# Altium PCB BEE_BOARD_PCB ASCII REV Project_PCB_Rev.Project_SCH_Rev.PcbDoc (part 1 of 3)
Units mm, origin at the board's own origin, x right, y up, seen from the top; angles counter-clockwise.
Board outline 57.11 x 51.96 mm, 8 copper layers (Top, GND_1, Signal_1, GND_2, PWR, Signal_2, GND_3, Bottom), stack 1.6 mm thick; 171 components, 98 nets, 601 pads, 290 vias.
Unrouted connection lines stored in the file: 8.
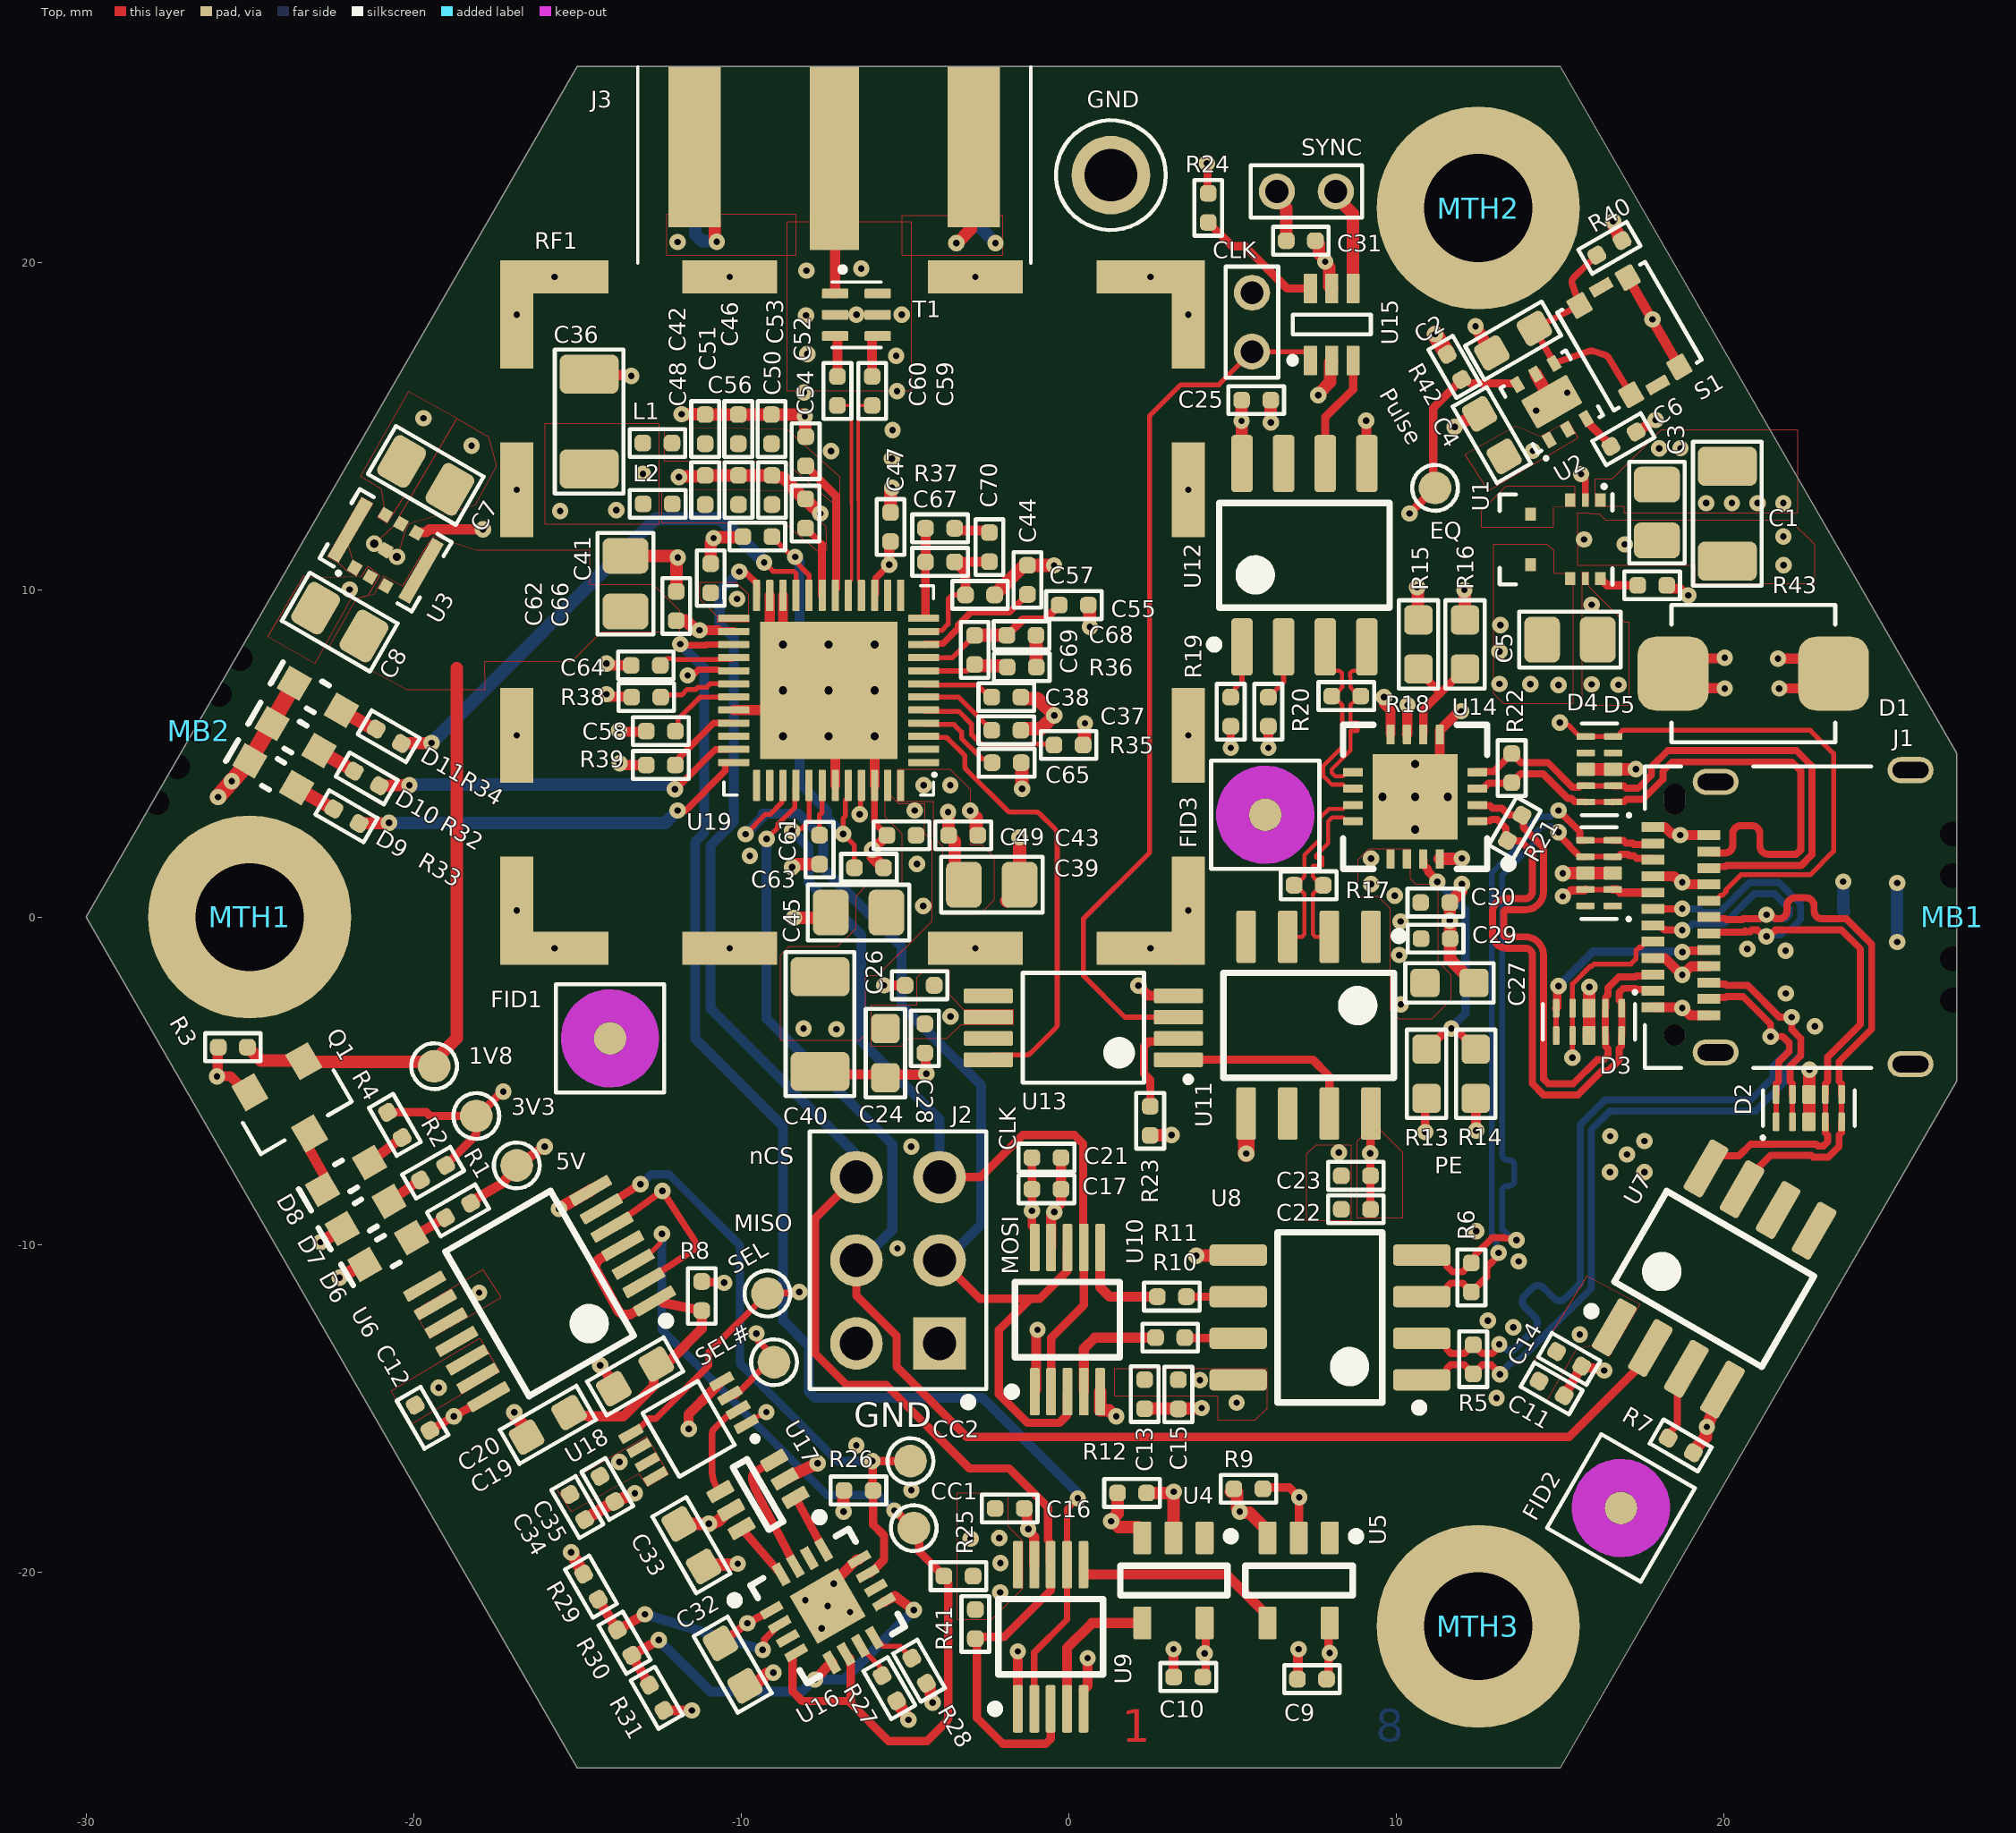
[diagram p0: Top view]
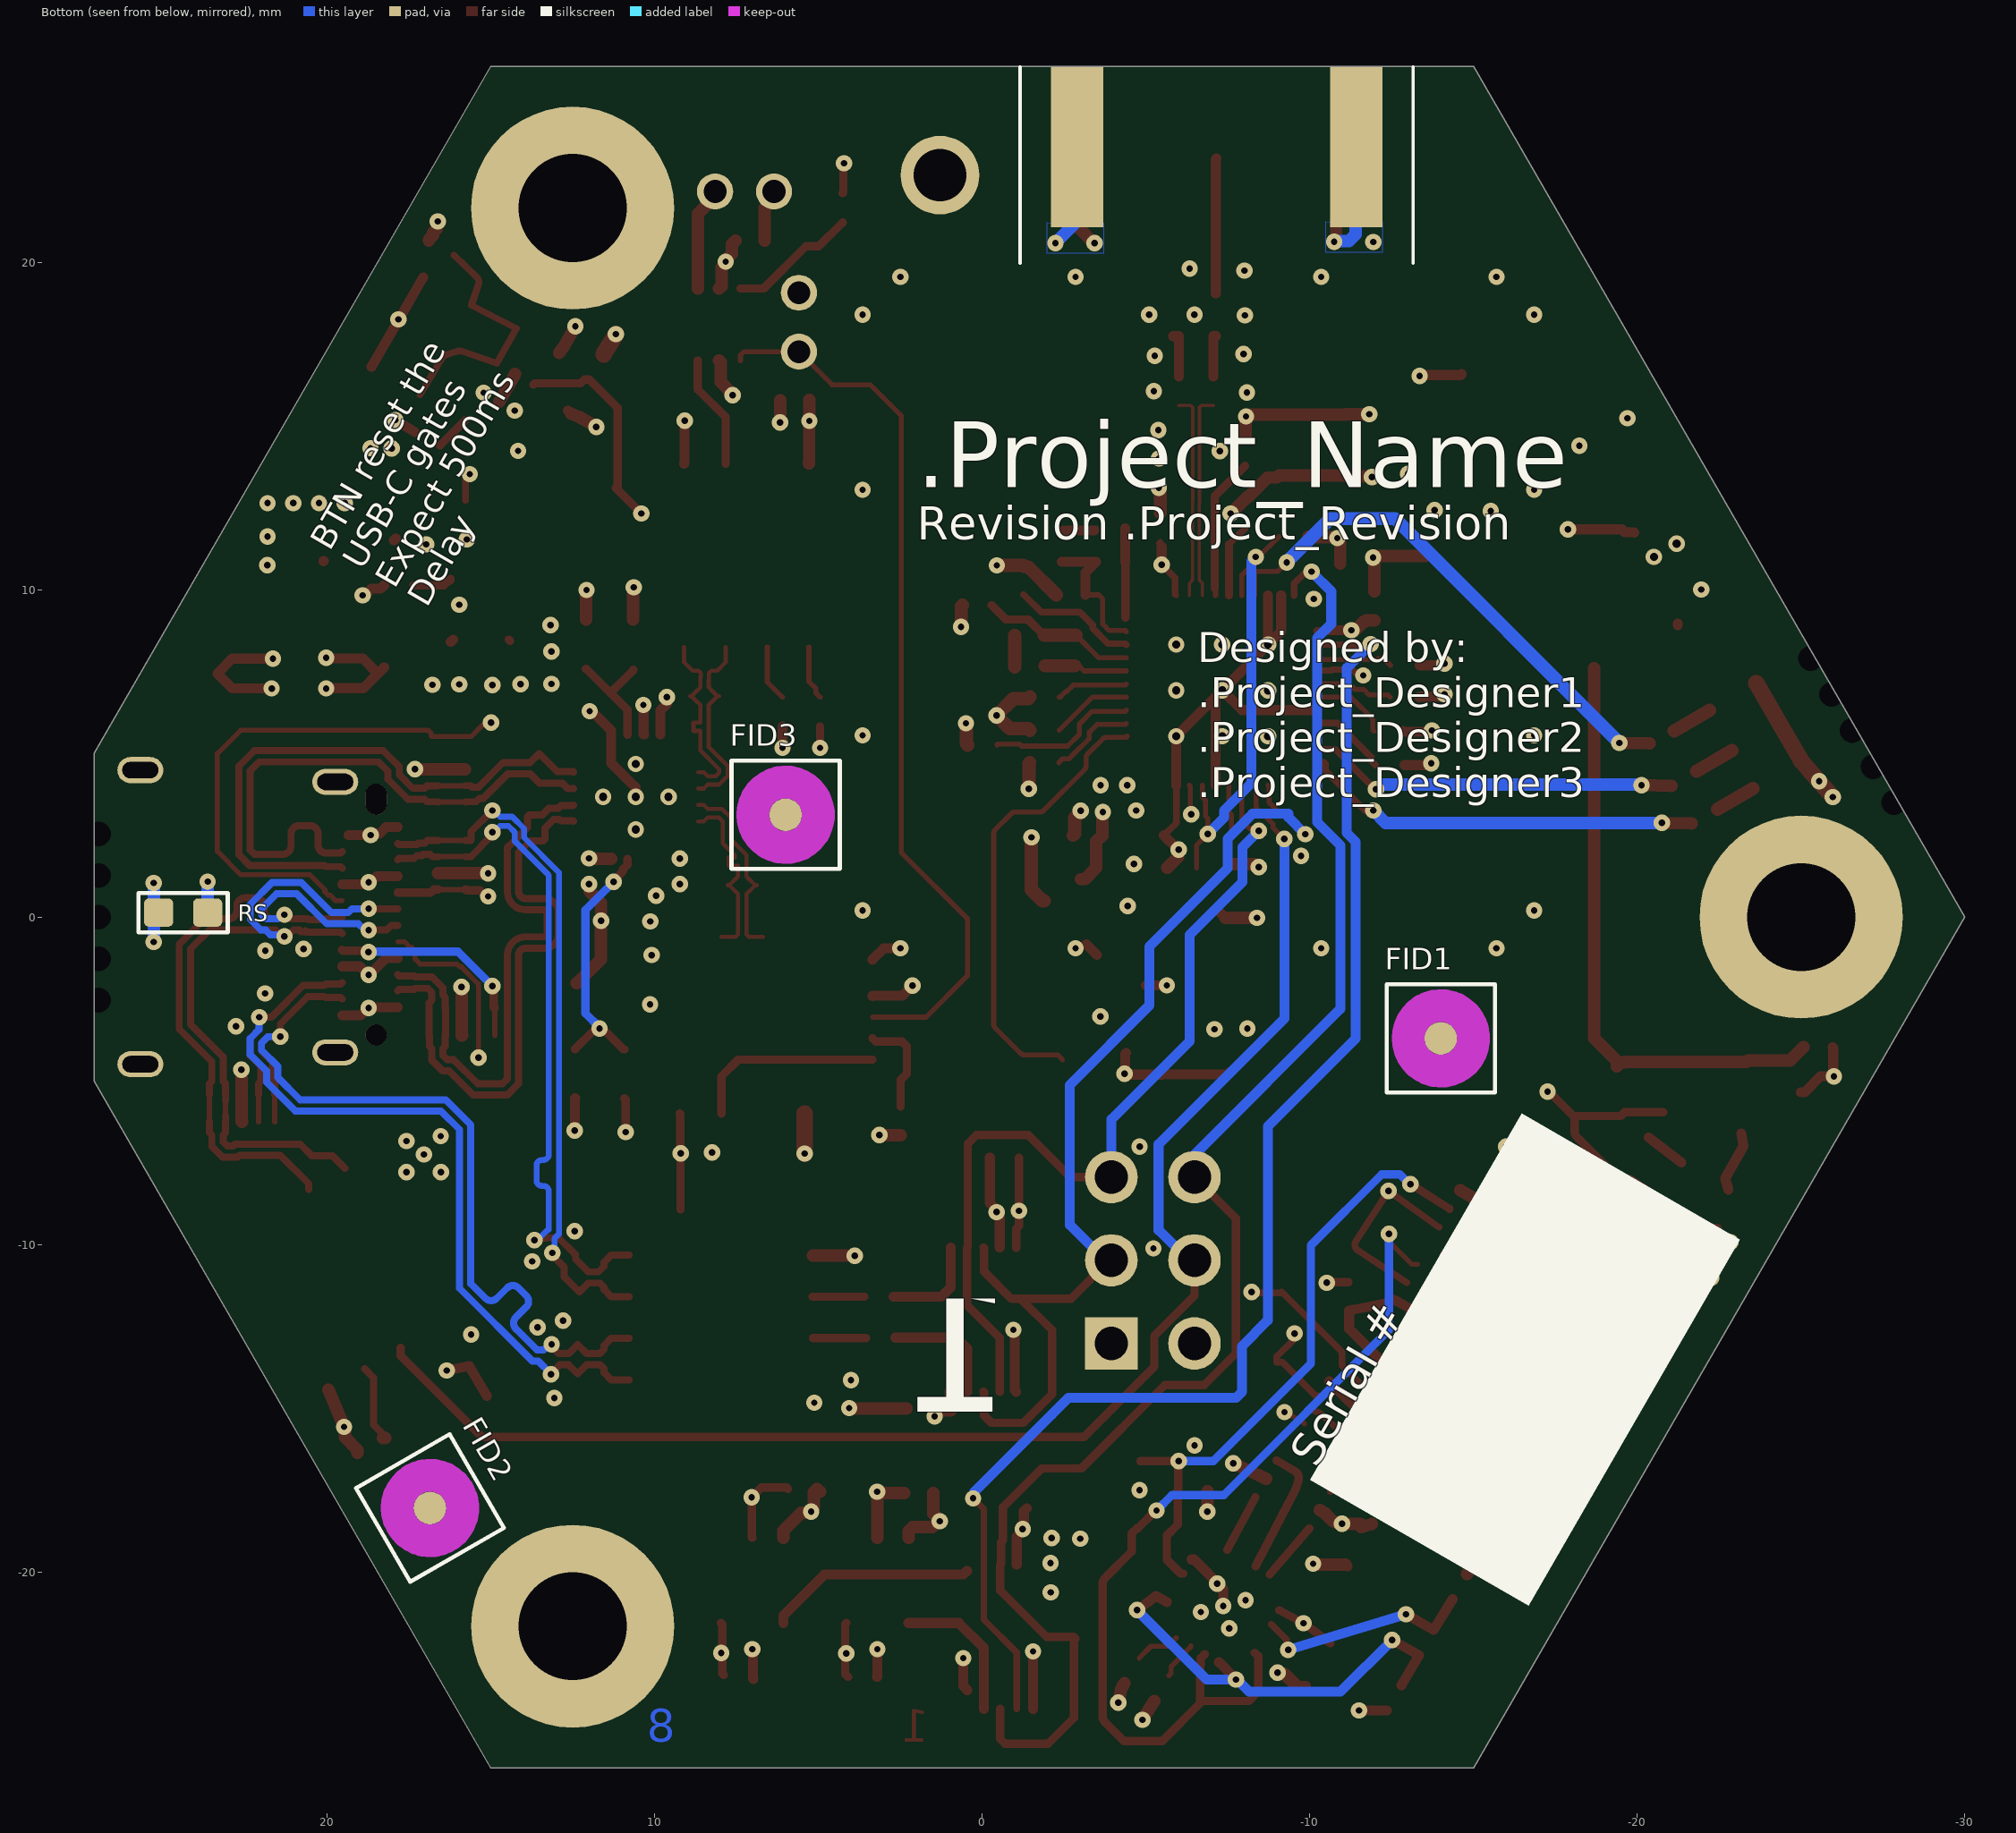
[diagram p1: Bottom view, seen from below]
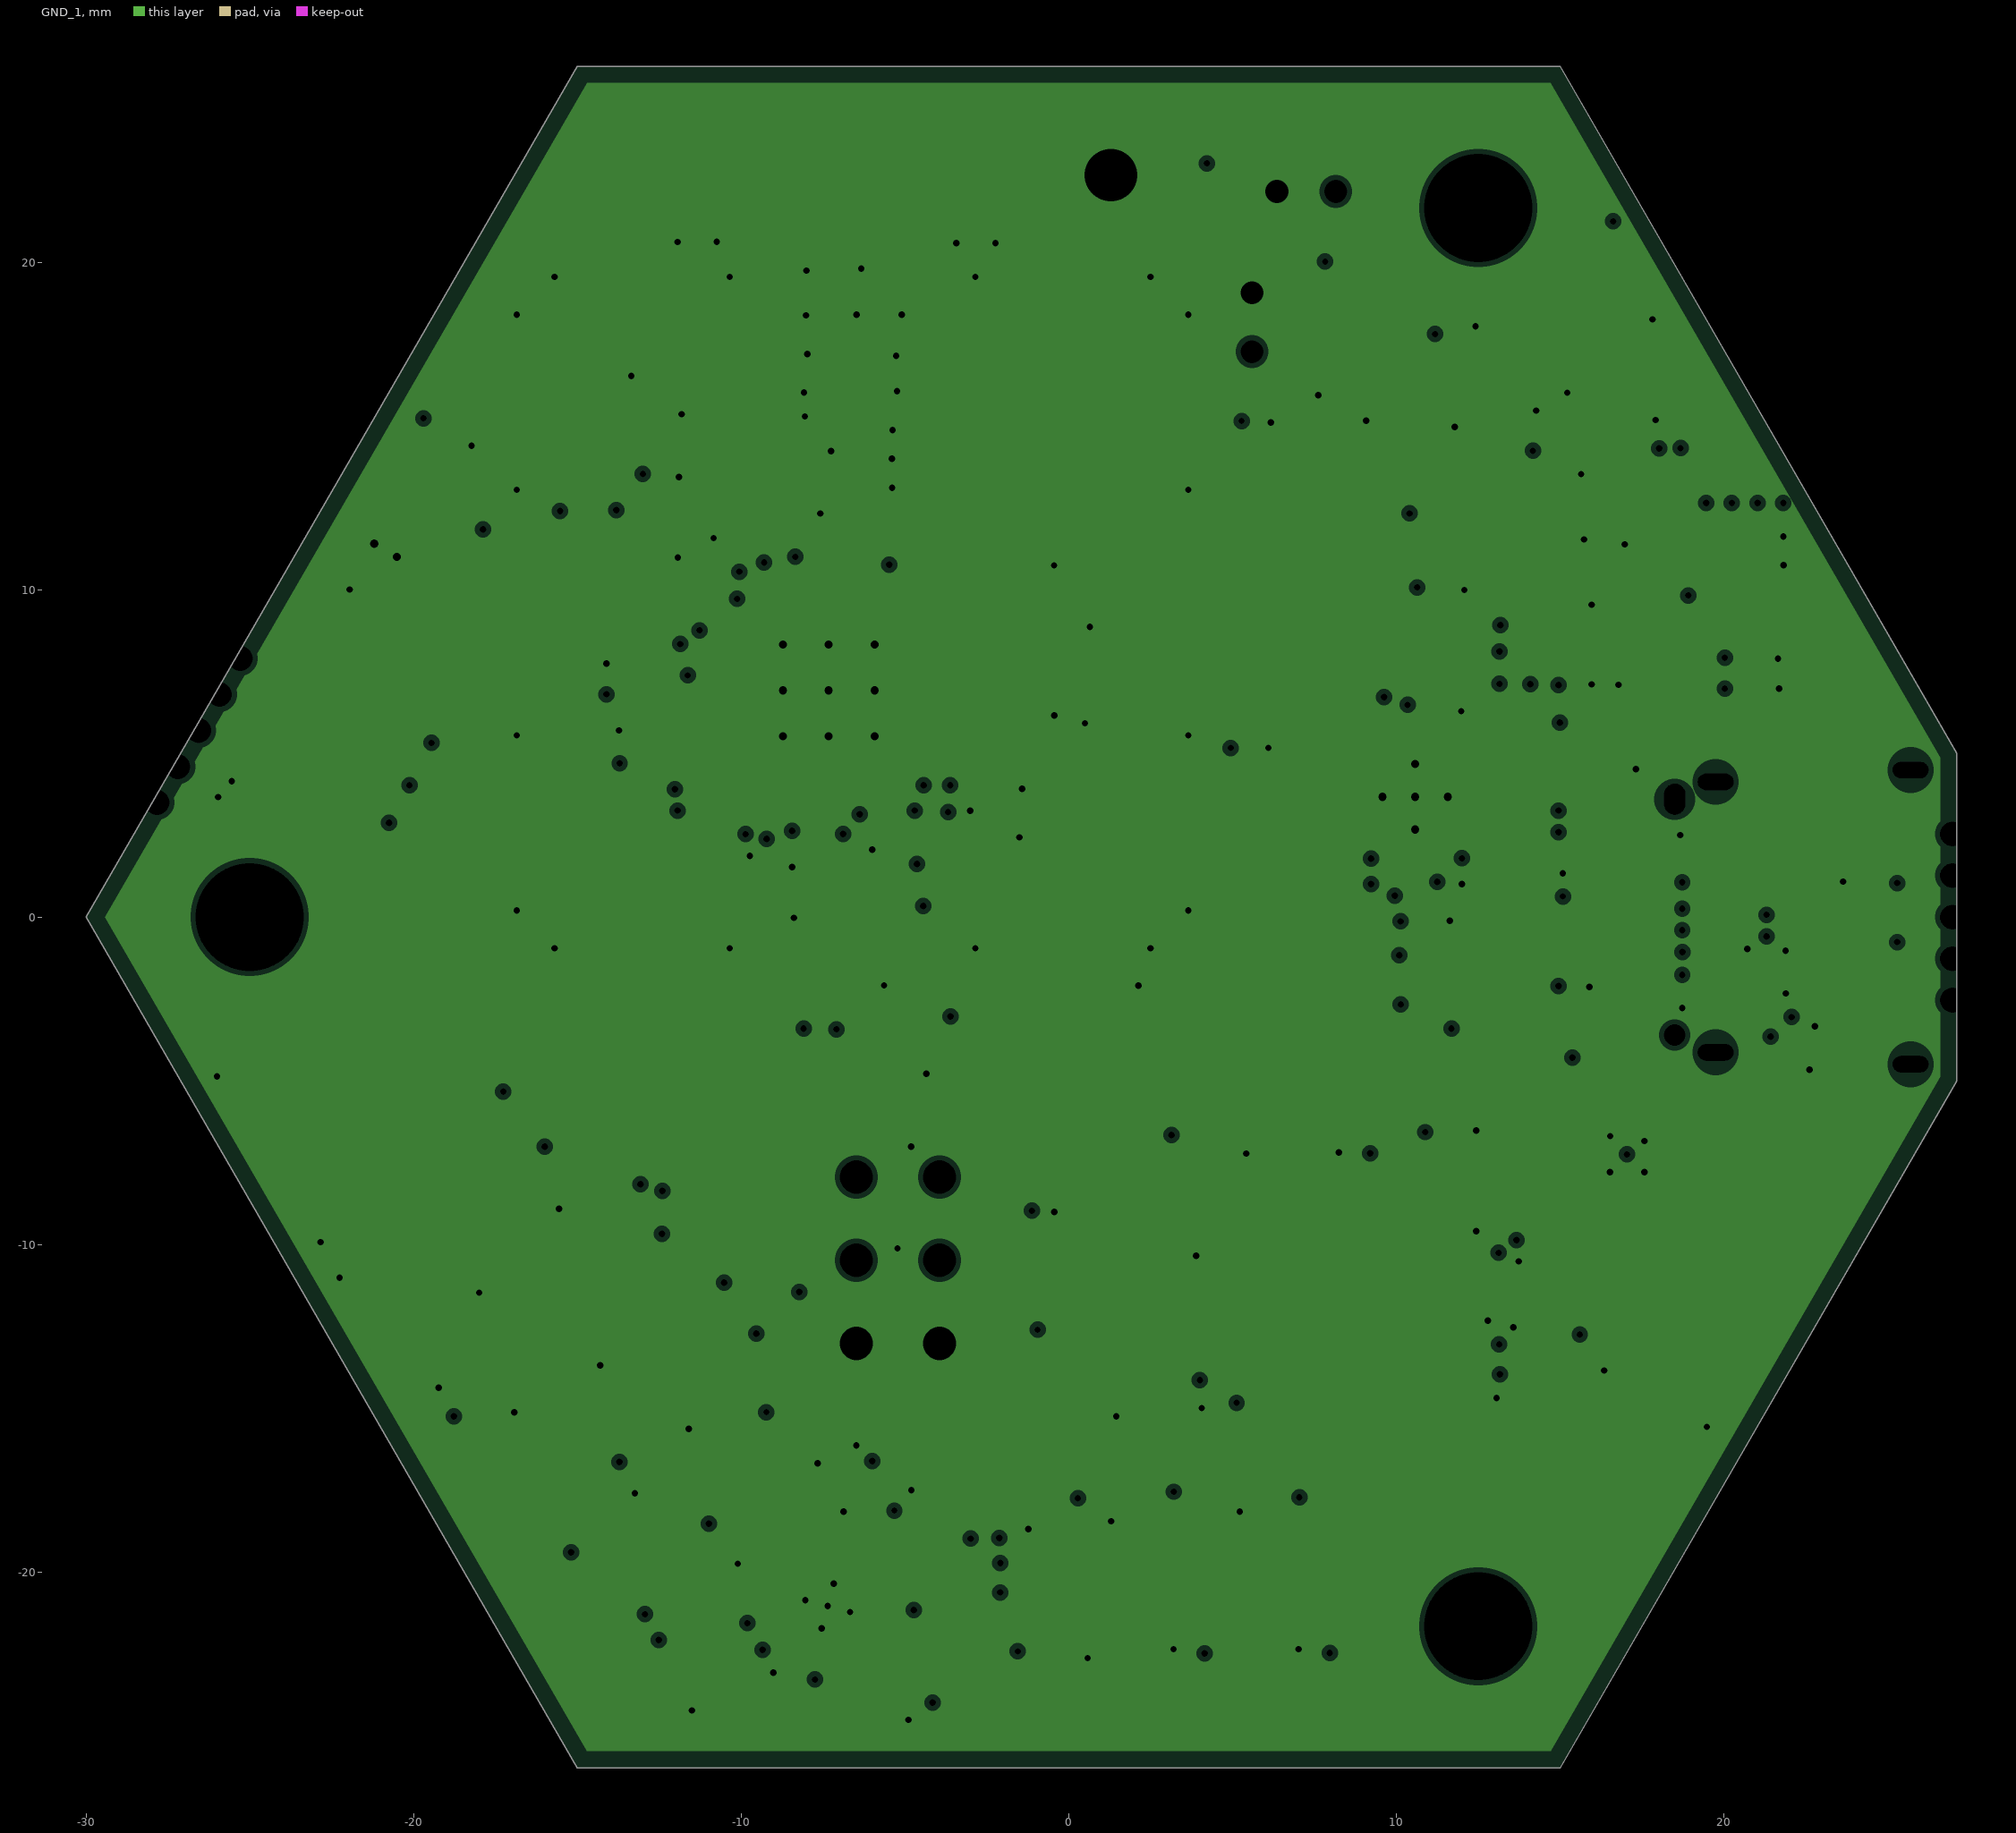
[diagram p2: GND_1, clearances drawn from the general rule]
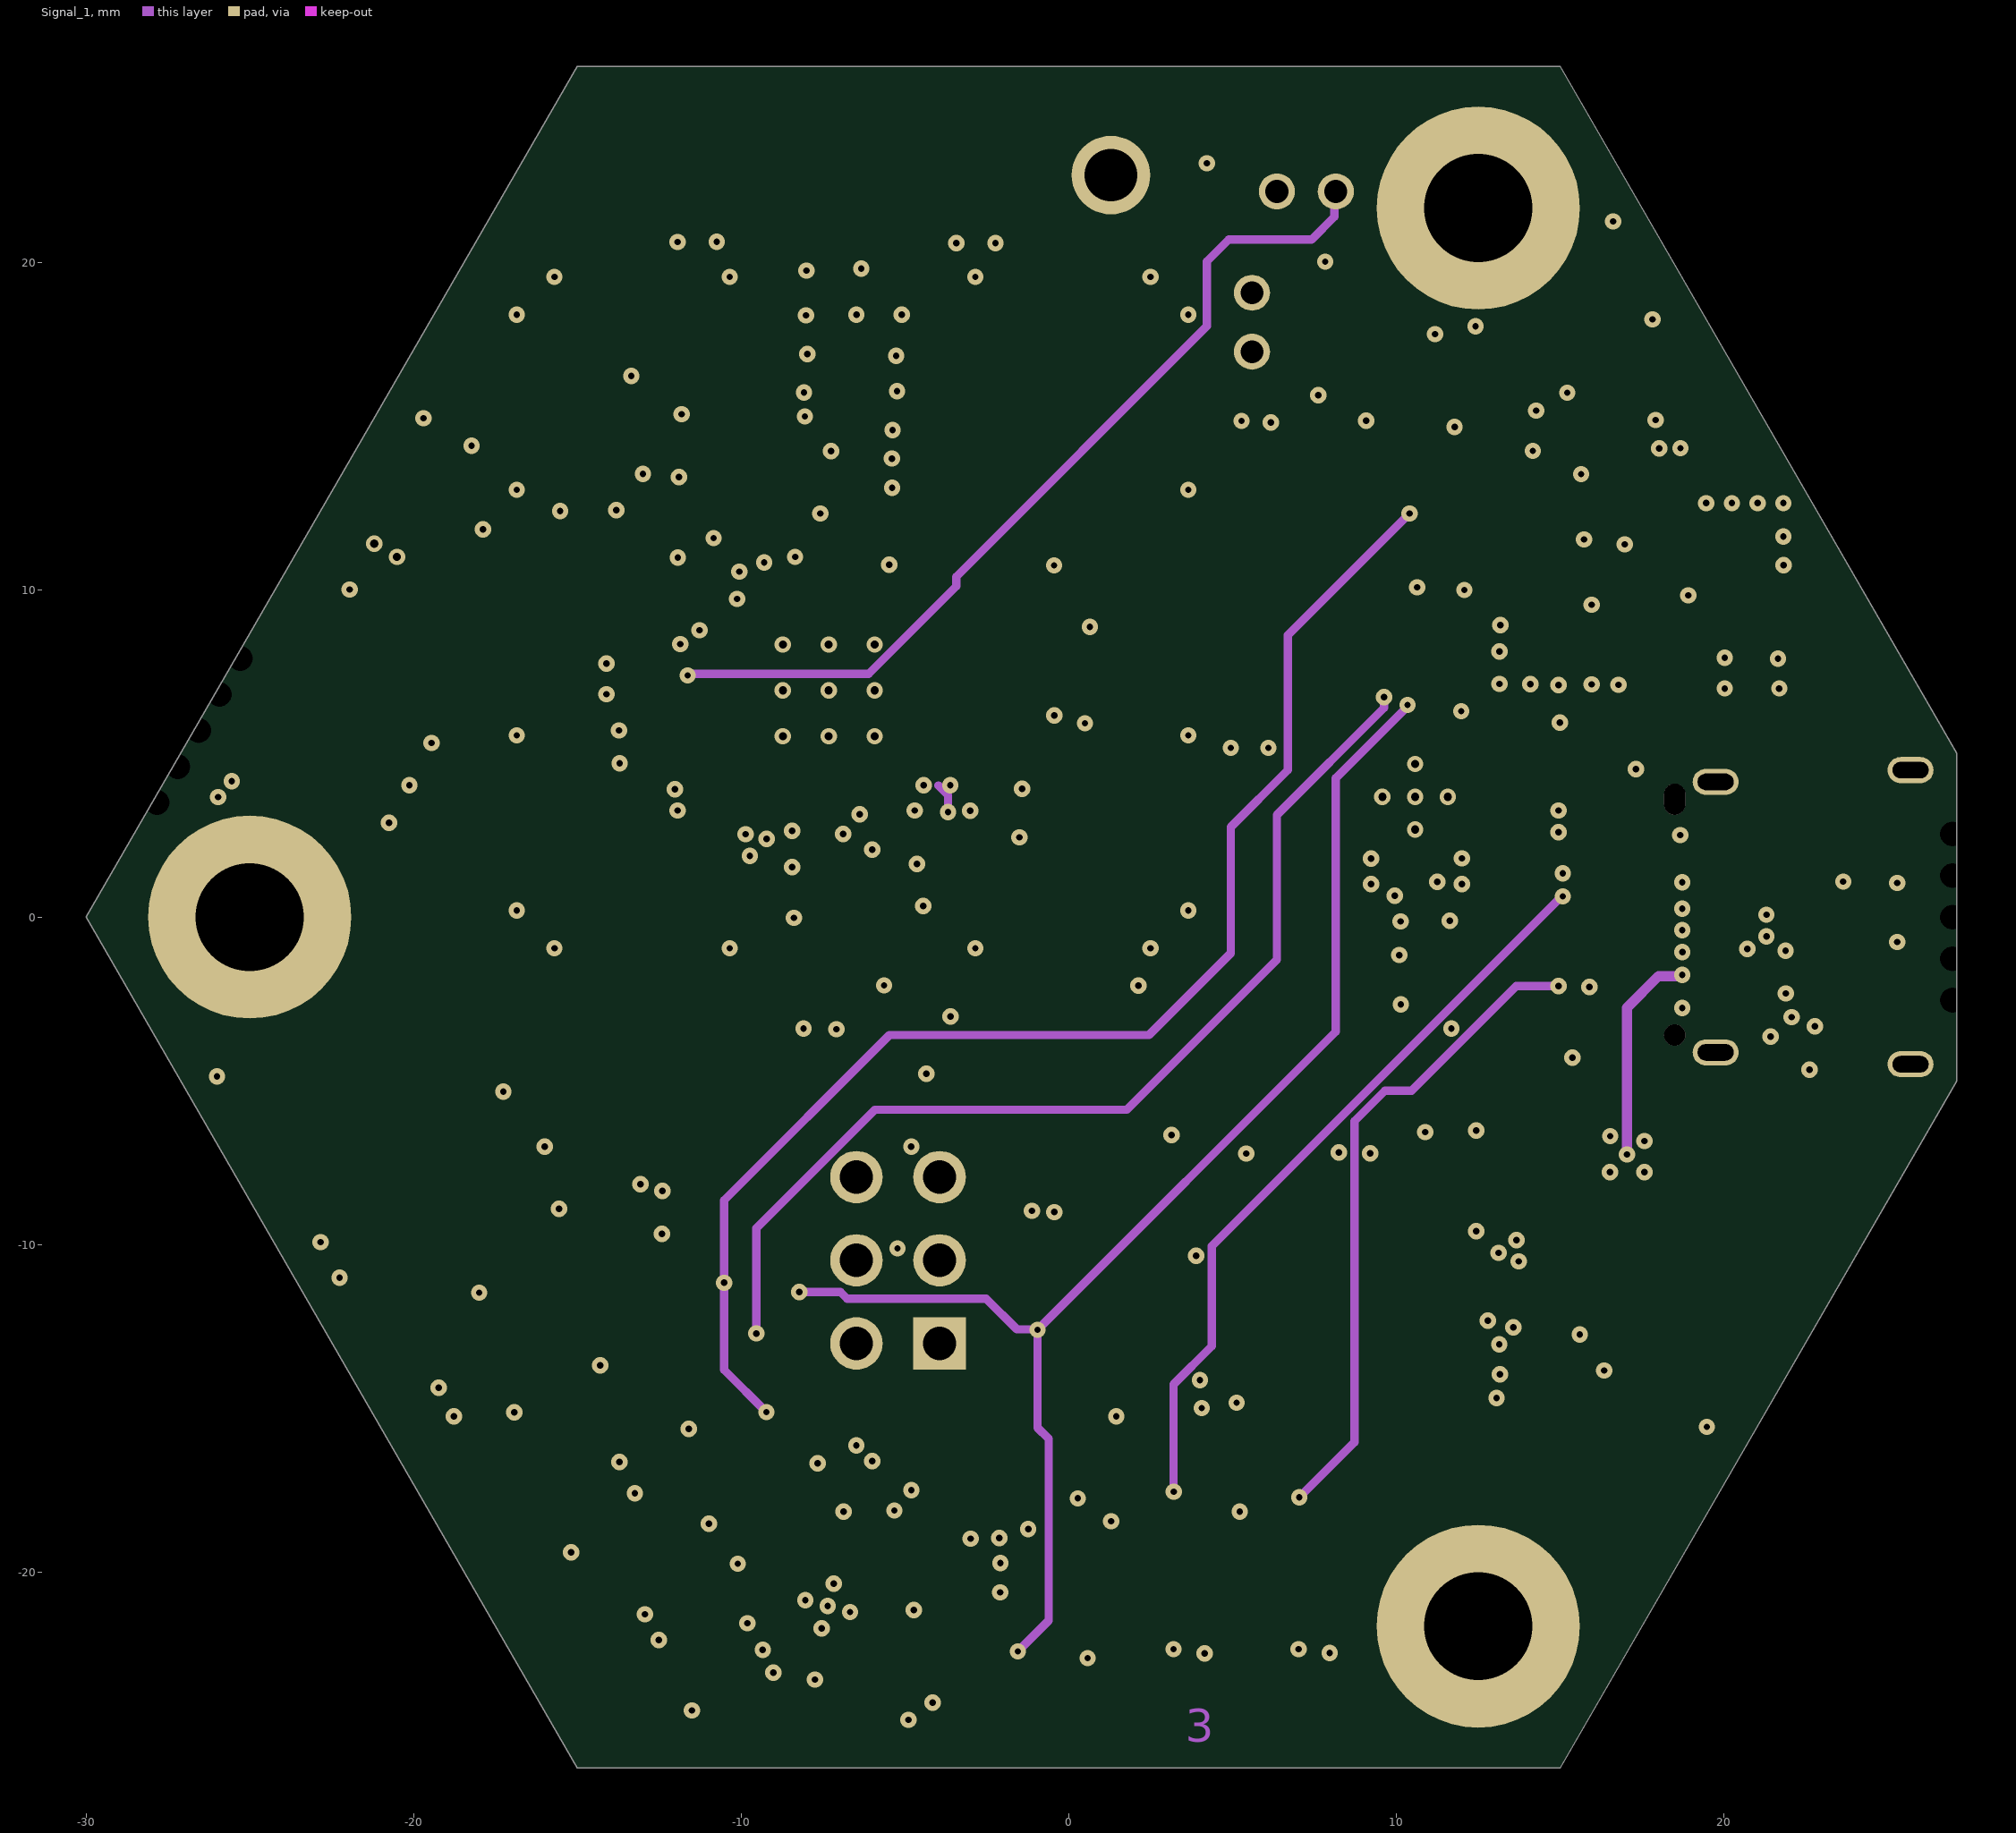
[diagram p3: Signal_1]